# Altium PCB 3-as-manufactured.pcbdoc (part 1 of 12)
Units mil, origin at the board's own origin, x right, y up, seen from the top; angles counter-clockwise.
Board outline 2728 x 2217 mil, 8 copper layers (L1_TOP, L2_GND, L3_INNER1, L4_GND, L5_PWR, L6_INNER2, L7_GND, L8_BOT), stack 48.618 mil thick; 227 components, 321 nets, 1592 pads, 1187 vias.
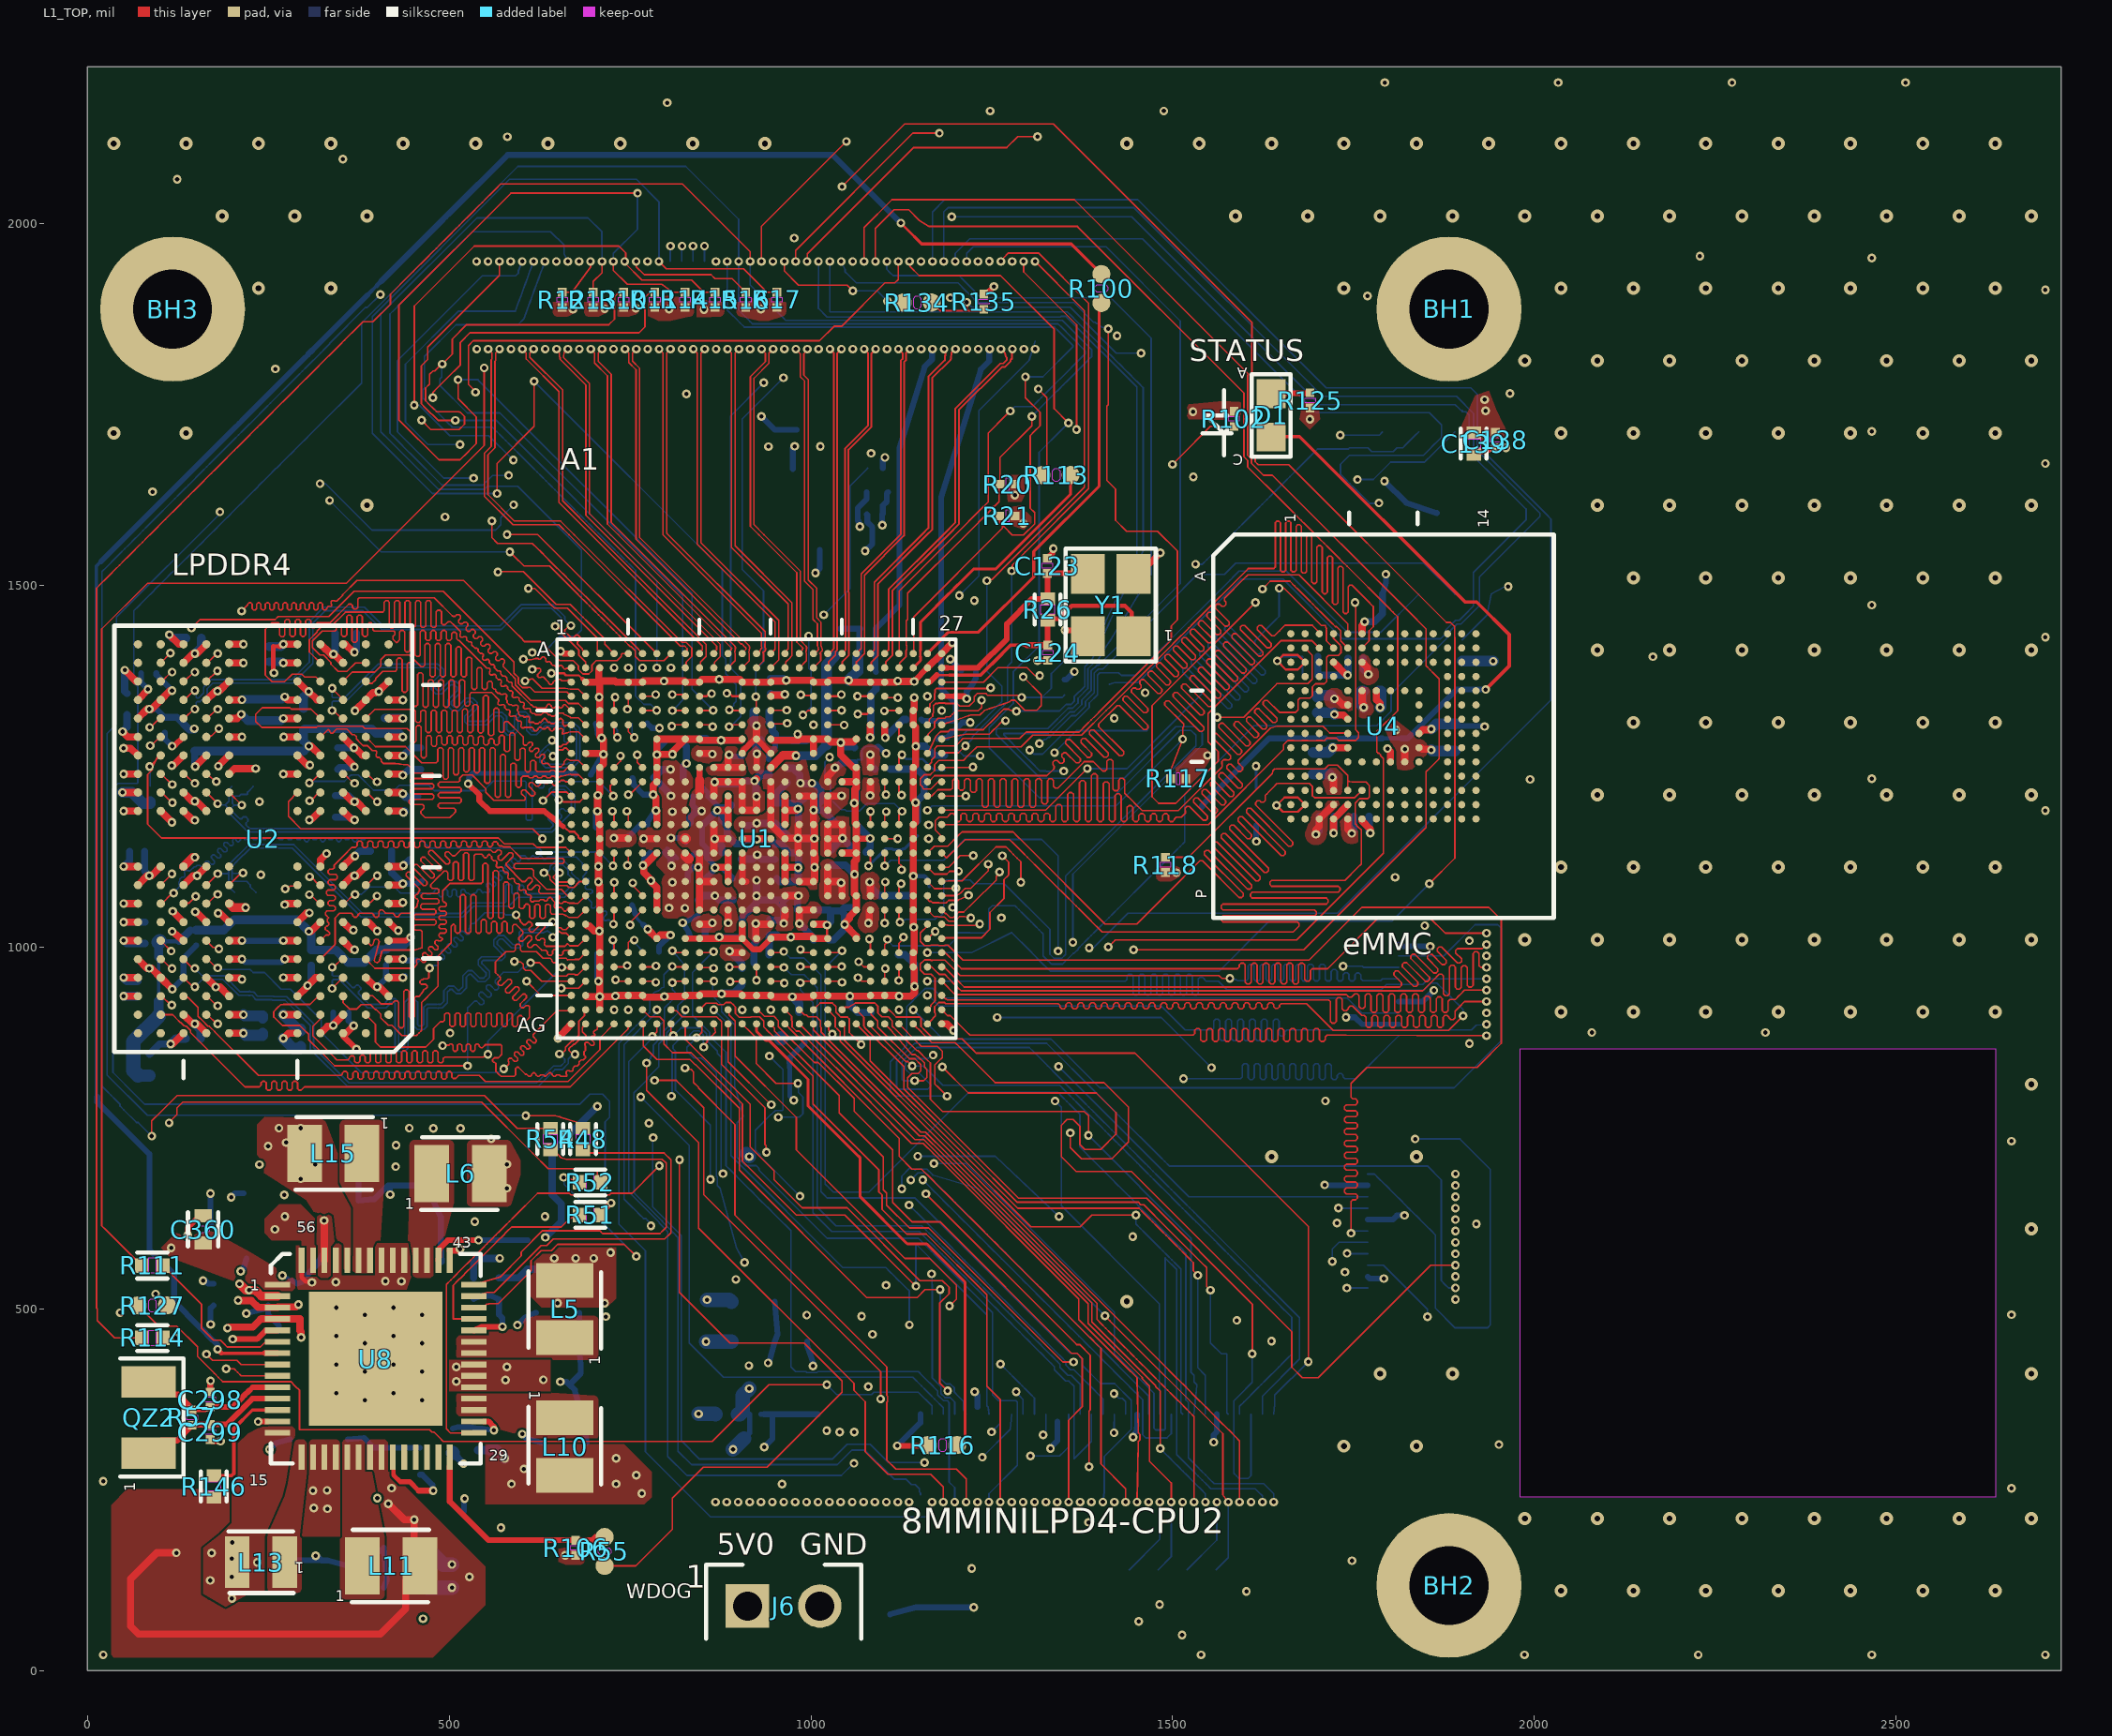
[diagram p0: L1_TOP view]
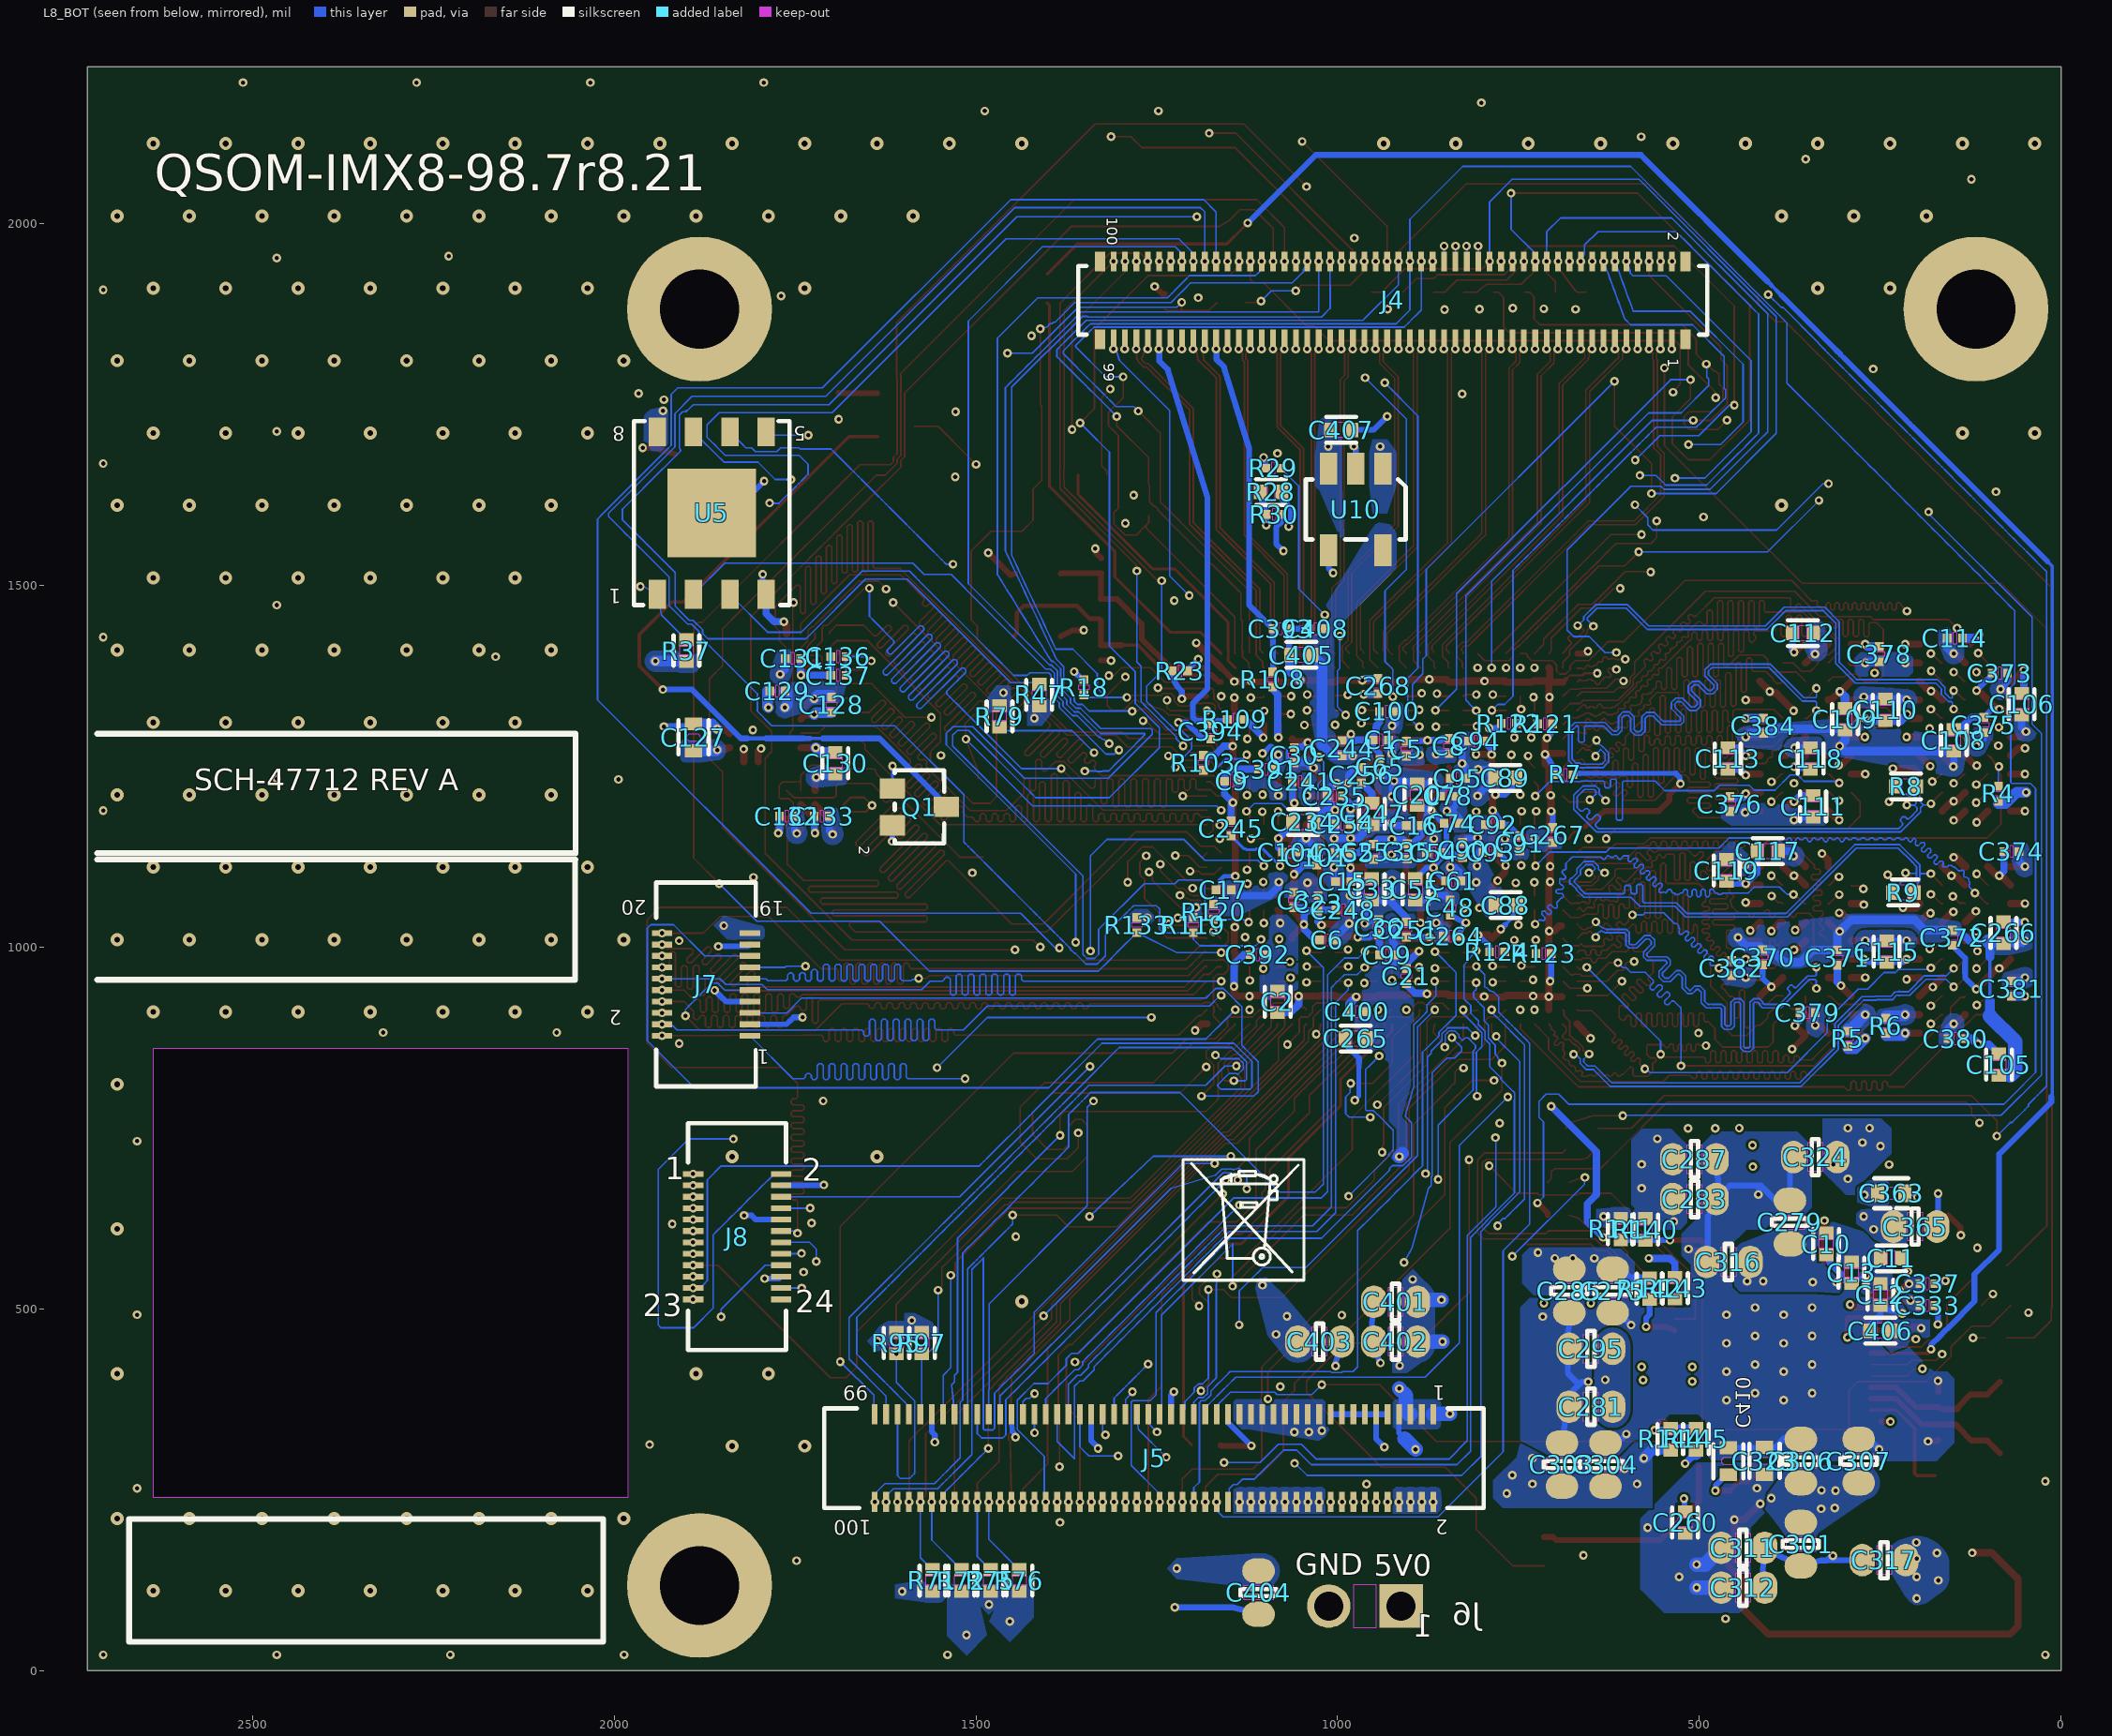
[diagram p1: L8_BOT view, seen from below]
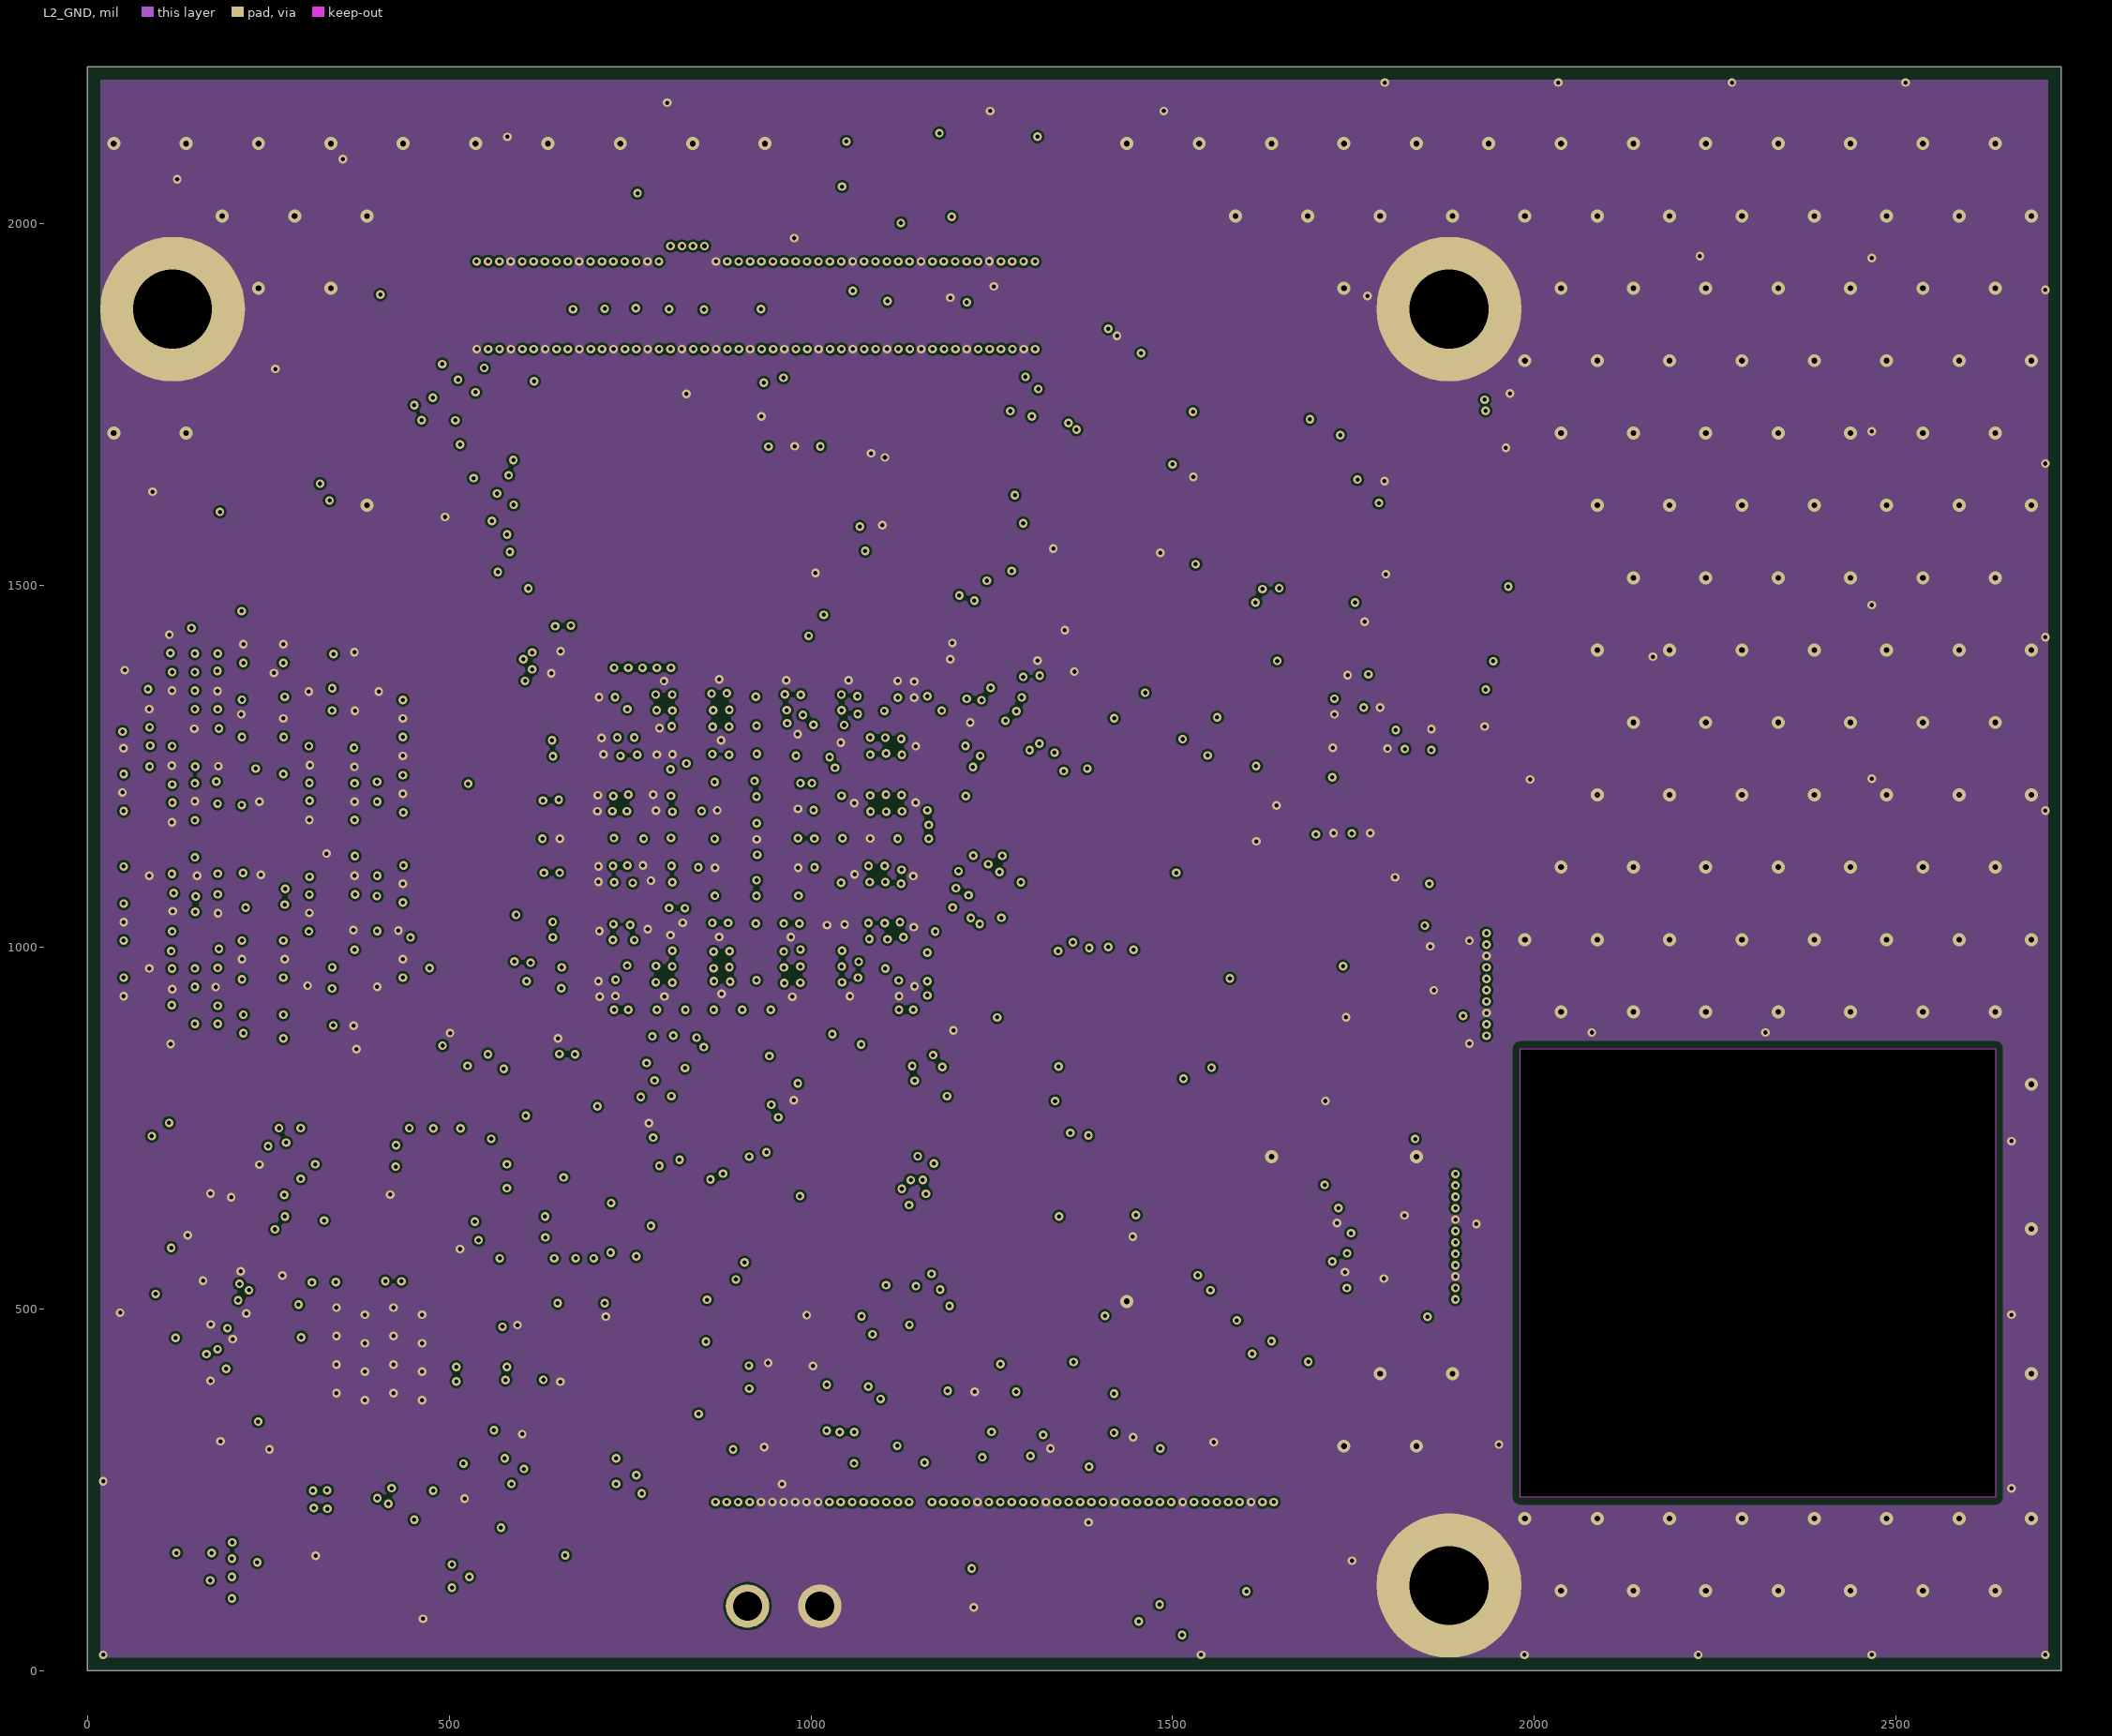
[diagram p2: L2_GND]